# Altium PCB Interface_Card_for_GaN_Inverter.PcbDoc (part 1 of 2)
Units mm, origin at the board's own origin, x right, y up, seen from the top; angles counter-clockwise.
Board outline 50 x 100 mm, 4 copper layers (Top Copper, Signal Layer 1, Signal Layer 2, Bottom Copper), stack 1.57 mm thick; 101 components, 146 nets, 564 pads, 215 vias.
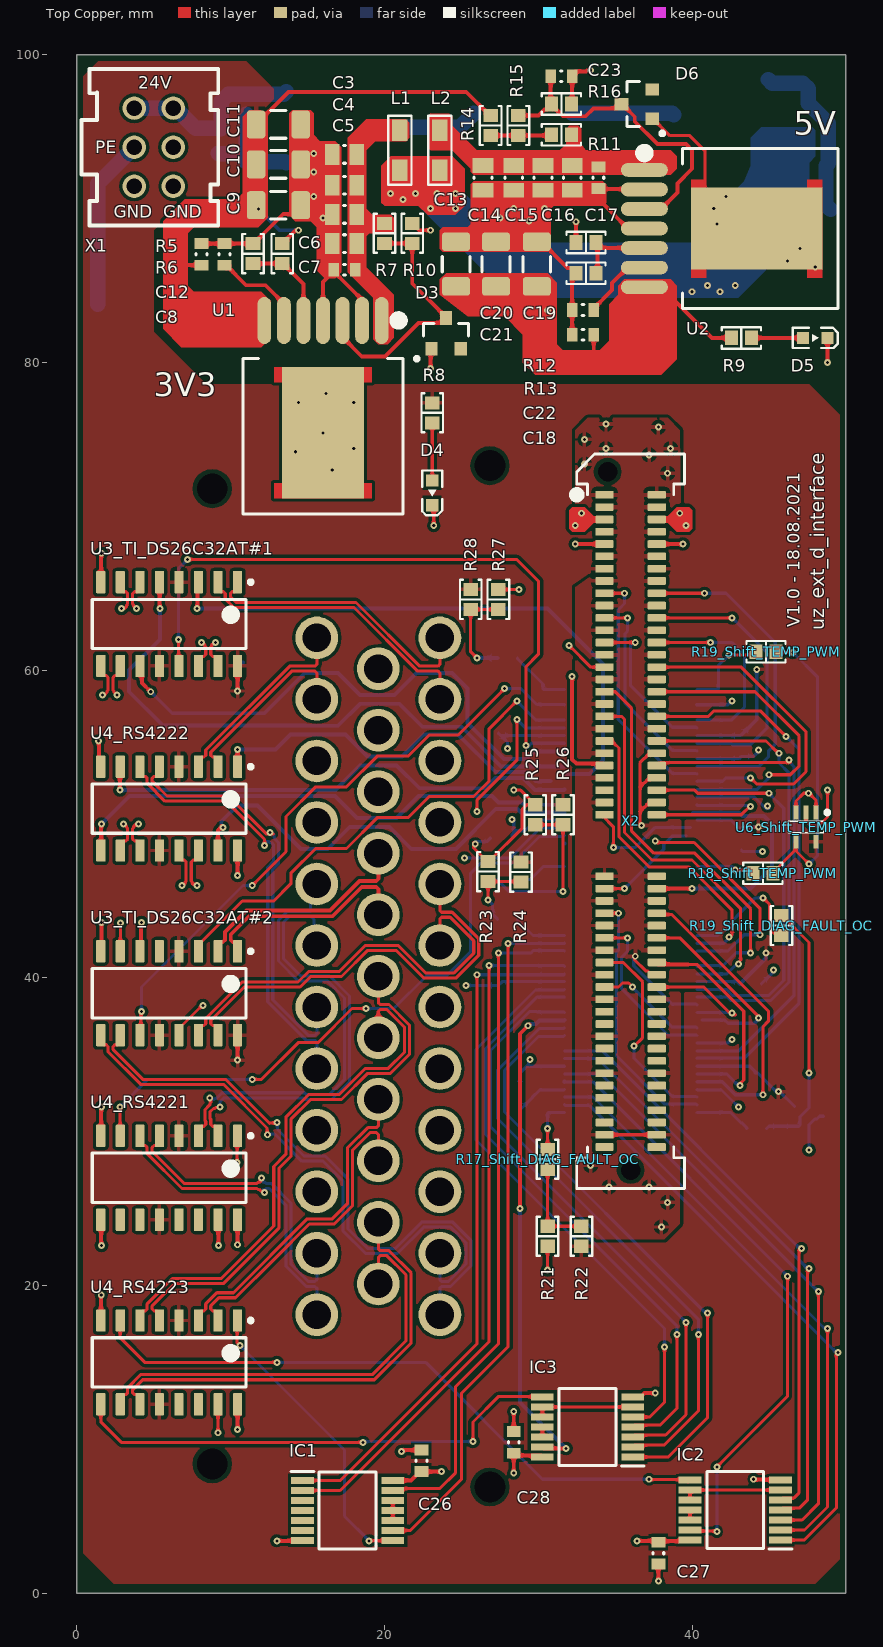
[diagram p0: Top Copper view]
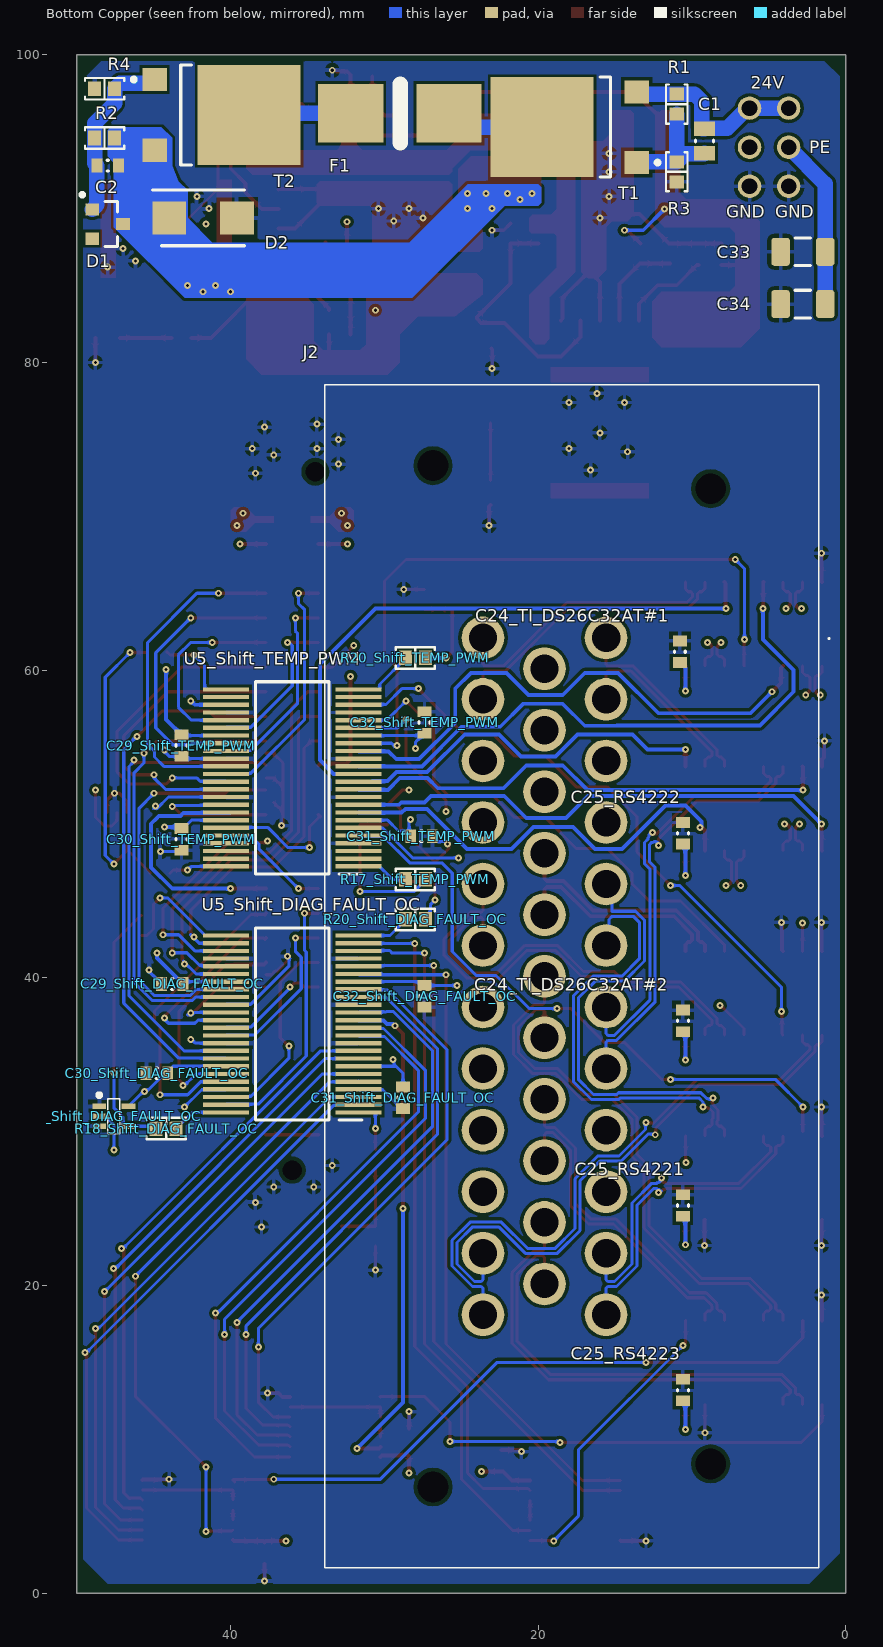
[diagram p1: Bottom Copper view, seen from below]
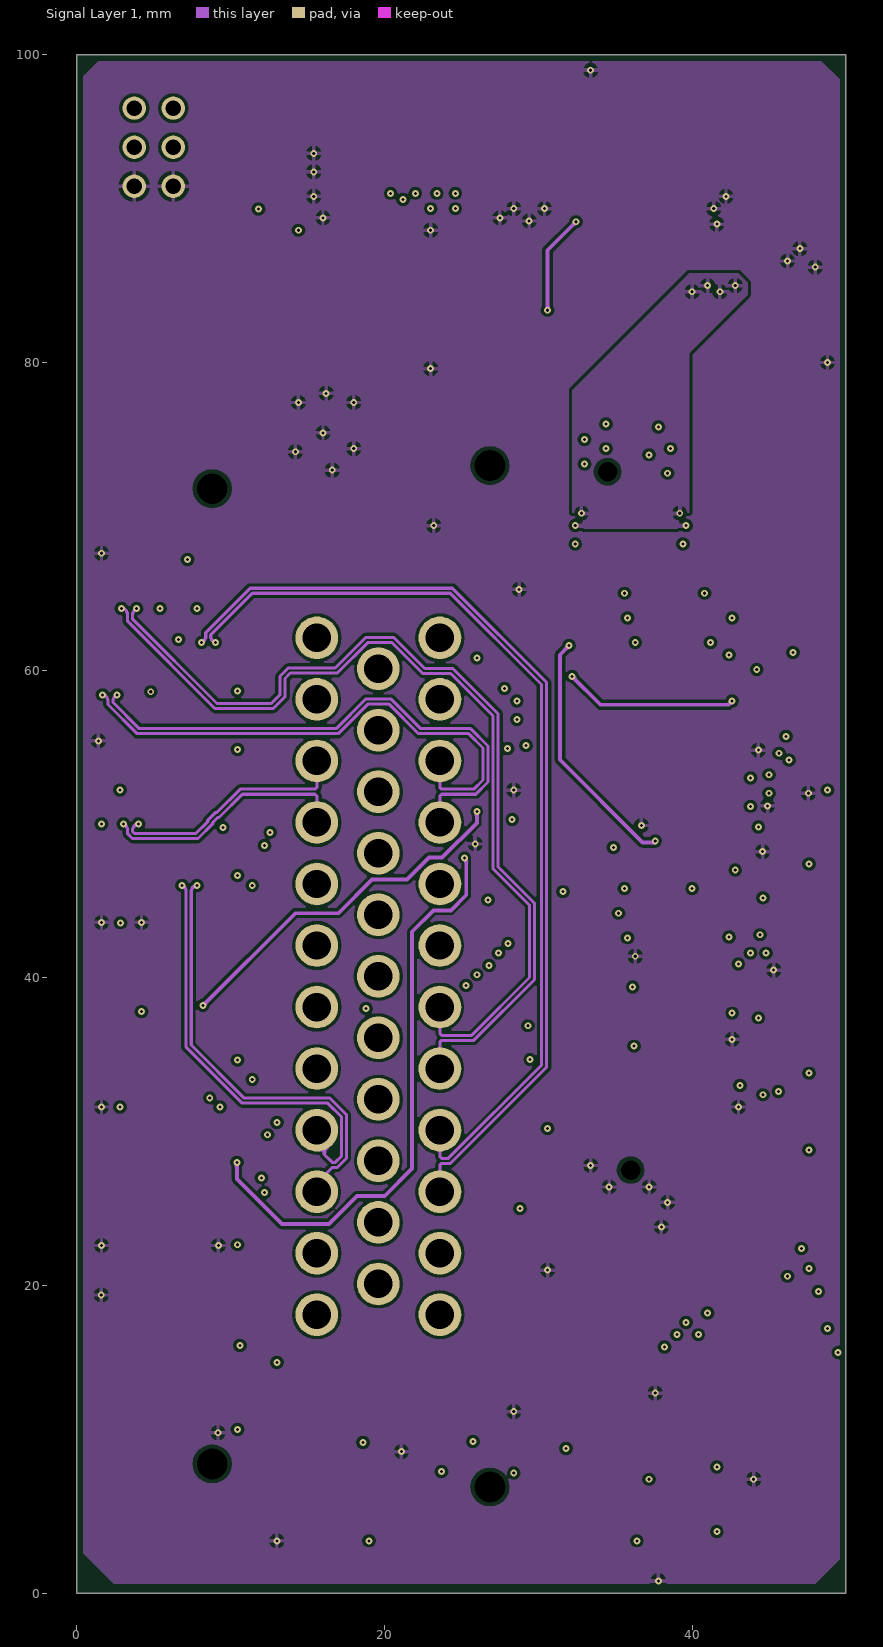
[diagram p2: Signal Layer 1]
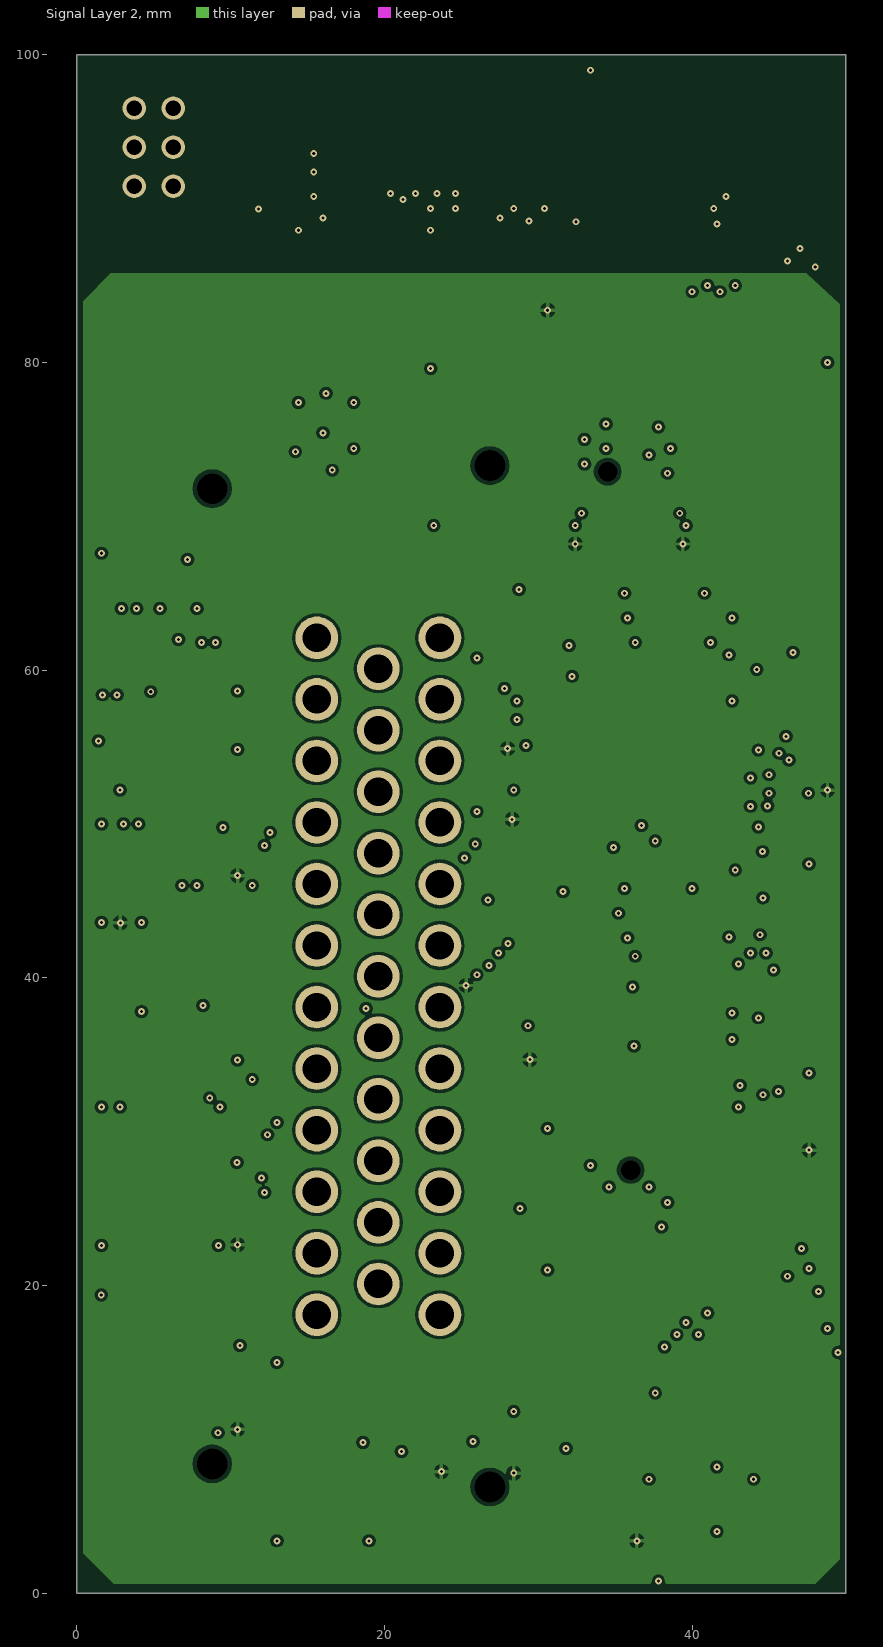
[diagram p3: Signal Layer 2]
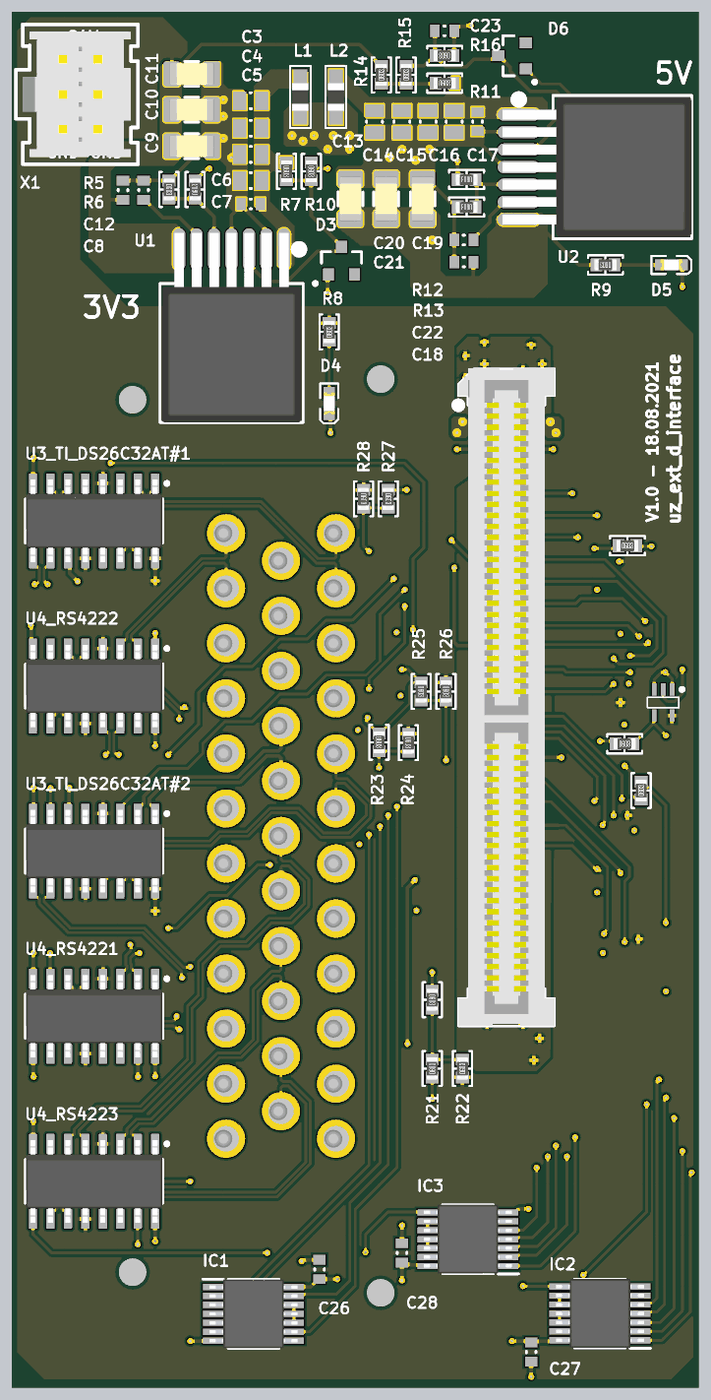
[diagram p5: 3D render of the assembled board from above, using the file's embedded part models]

## Layer stack, top to bottom
Top Mask: solder mask 0.015, Solder Resist, Dk 3.8
Top Copper: signal copper 0.035
Dielectric 1: prepreg 0.2, 7628, Dk 4.6
Signal Layer 1: signal copper 0.0175
Core: core 1.065, FR-4, Dk 4.5
Signal Layer 2: signal copper 0.0175
Dielectric 2: prepreg 0.2, 7628, Dk 4.6
Bottom Copper: signal copper 0.035
Bottom Mask: solder mask 0.015, Solder Resist, Dk 3.8

## Board outline
0,0 50,0 50,100 0,100

## Design rules (kind name [scope] priority, off if disabled: settings)
Clearance [All] p1: gap=0.2 ignorepadtopadclearanceinfootprint=FALSE except(0.127: Arc-Arc Arc-Track Track-Track; 0.254: Arc-Via Arc-Text Arc-Hole Track-Via Track-Text Track-Hole SMDPad-Via SMDPad-Text SMDPad-Hole THPad-Via THPad-Text THPad-Hole Via-Via Via-Text Via-Hole Fill-Text Fill-Hole Poly-Text Poly-Hole Region-Text Region-Hole Text-Text Text-Hole)
ComponentClearance [All] p1: gap=0.2 collisioncheckmode=3 verticalgap=0.2 showdistances=FALSE
DiffPairsRouting [All] p1: maxlimit=0.15 minlimit=0.127 mostfreqgap=0.127 toplayer_minwidth=0.15 toplayer_maxwidth=0.254 toplayer_prefwidth=0.2 midlayer1_minwidth=0.15 midlayer1_maxwidth=0.254 midlayer1_prefwidth=0.2 midlayer2_minwidth=0.15 midlayer2_maxwidth=0.254 midlayer2_prefwidth=0.2 bottomlayer_minwidth=0.15 bottomlayer_maxwidth=0.254 bottomlayer_prefwidth=0.2 maxuncoupledlength=12.7
Height [All] p1: minheight=0 maxheight=50 prefheight=12.7
MinimumSolderMaskSliver [All] p1: minsoldermaskwidth=0.2
PolygonConnect [All] p1: connectstyle=Relief reliefconductorwidth=0.254 reliefentries=4 polygonreliefangle="90 Angle" airgapwidth=0.254
RoutingVias [All] p1: holewidth=0.2 width=0.4 viastyle="Through Hole" minholewidth=0.15 minwidth=0.3 maxholewidth=0.711 maxwidth=1.27
SilkToSilkClearance [All] p1: silktosilkclearance=0.2
SilkToSolderMaskClearance [IsPad] p1: minsilkscreentomaskgap=0.2 clearancetoexposedcopper=TRUE
SolderMaskExpansion [All] p1: expansion=0.102 istentingtop=FALSE
Width [All] p1: maxlimit=1 minlimit=0.2 preferedwidth=0.254 midlayer1_minwidth=0.254 midlayer1_maxwidth=0.254 midlayer2_minwidth=0.254 midlayer2_maxwidth=0.254 minimp=50.000000 maximp=50.000000 favimp=50.000000
24 further rules are at their usual default settings.

## Classes and differential pairs
component class Levelshifter: R21 R22 R23 R24 R25 R26 R27 R28
channel class TI_SN74LVCH16T245: Shift_DIAG_FAULT_OC Shift_TEMP_PWM
channel class TI_DS26C32AT: TI_DS26C32AT#1 TI_DS26C32AT#2
channel class TI_DS26C31T: RS4221 RS4222 RS4223
net class PWR: NetC1_2 NetC3_2 NetC13_2 NetF1_1 NetF1_2 VCCA_Shift_DIAG_FAULT_OC VCCB_Shift_DIAG_FAULT_OC VIN
net class "Fine Trace": 1A1_Shift_DIAG_FAULT_OC 1A1_Shift_TEMP_PWM 1A2_Shift_DIAG_FAULT_OC 1A2_Shift_TEMP_PWM 1A3_Shift_DIAG_FAULT_OC 1A3_Shift_TEMP_PWM 1A4_Shift_DIAG_FAULT_OC 1A4_Shift_TEMP_PWM 1A5_Shift_DIAG_FAULT_OC 1A5_Shift_TEMP_PWM 1A6_Shift_DIAG_FAULT_OC 1A6_Shift_TEMP_PWM 1A7_Shift_DIAG_FAULT_OC 1A7_Shift_TEMP_PWM 1A8_Shift_DIAG_FAULT_OC 1A8_Shift_TEMP_PWM 1B1_Shift_DIAG_FAULT_OC 1B1_Shift_TEMP_PWM 1B2_Shift_DIAG_FAULT_OC 1B2_Shift_TEMP_PWM 1B3_Shift_DIAG_FAULT_OC 1B3_Shift_TEMP_PWM 1B4_Shift_DIAG_FAULT_OC 1B4_Shift_TEMP_PWM 1B5_Shift_DIAG_FAULT_OC 1B5_Shift_TEMP_PWM 1B6_Shift_DIAG_FAULT_OC 1B6_Shift_TEMP_PWM 1B7_Shift_DIAG_FAULT_OC 1B7_Shift_TEMP_PWM 1B8_Shift_DIAG_FAULT_OC 1B8_Shift_TEMP_PWM 2A1_Shift_DIAG_FAULT_OC 2A1_Shift_TEMP_PWM 2A2_Shift_DIAG_FAULT_OC 2A2_Shift_TEMP_PWM 2A3_Shift_DIAG_FAULT_OC 2A3_Shift_TEMP_PWM 2A4_Shift_DIAG_FAULT_OC 2A4_Shift_TEMP_PWM 2A5_Shift_DIAG_FAULT_OC 2A5_Shift_TEMP_PWM 2A6_Shift_DIAG_FAULT_OC 2A6_Shift_TEMP_PWM 2A7_Shift_DIAG_FAULT_OC 2A7_Shift_TEMP_PWM 2A8_Shift_DIAG_FAULT_OC 2A8_Shift_TEMP_PWM 2B1_Shift_DIAG_FAULT_OC 2B1_Shift_TEMP_PWM 2B2_Shift_DIAG_FAULT_OC 2B2_Shift_TEMP_PWM 2B3_Shift_DIAG_FAULT_OC 2B3_Shift_TEMP_PWM 2B4_Shift_DIAG_FAULT_OC 2B4_Shift_TEMP_PWM 2B5_Shift_DIAG_FAULT_OC 2B5_Shift_TEMP_PWM 2B6_Shift_DIAG_FAULT_OC 2B6_Shift_TEMP_PWM 2B7_Shift_DIAG_FAULT_OC 2B7_Shift_TEMP_PWM 2B8_Shift_DIAG_FAULT_OC 2B8_Shift_TEMP_PWM
net class D100: FAULT_N FAULT_P GaN_H1_TEMP_N GaN_H1_TEMP_P GaN_H2_TEMP_N GaN_H2_TEMP_P GaN_H3_TEMP_N GaN_H3_TEMP_P GaN_L1_TEMP_N GaN_L1_TEMP_P GaN_L2_TEMP_N GaN_L2_TEMP_P GaN_L3_TEMP_N GaN_L3_TEMP_P I_DIAG_N I_DIAG_P NetU4_RS4221_10 NetU4_RS4221_11 NetU4_RS4221_13 NetU4_RS4221_14 NetU4_RS4223_13 NetU4_RS4223_14 OC_N OC_P
component class U_Power_Supply: C1 C2 C3 C4 C5 C6 C7 C8 C9 C10 C11 C12 C13 C14 C15 C16 C17 C18 C19 C20 C21 C22 C23 C33 C34 D1 D2 D3 D4 D5 D6 F1 J1 L1 L2 R1 R2 R3 R4 R5 R6 R7 R8 R9 R10 R11 R12 R13 R14 R15 R16 T1 T2 U1 U2 X1
component class U_HTEC-Connector: X2
component class U_AMPSEAL-Connector: J2
component class TI_DS26C32AT#2: C24_TI_DS26C32AT#2 U3_TI_DS26C32AT#2
component class TI_DS26C32AT#1: C24_TI_DS26C32AT#1 U3_TI_DS26C32AT#1
component class Shift_TEMP_PWM: C29_Shift_TEMP_PWM C30_Shift_TEMP_PWM C31_Shift_TEMP_PWM C32_Shift_TEMP_PWM R17_Shift_TEMP_PWM R18_Shift_TEMP_PWM R19_Shift_TEMP_PWM R20_Shift_TEMP_PWM U5_Shift_TEMP_PWM U6_Shift_TEMP_PWM
component class Shift_DIAG_FAULT_OC: C29_Shift_DIAG_FAULT_OC C30_Shift_DIAG_FAULT_OC C31_Shift_DIAG_FAULT_OC C32_Shift_DIAG_FAULT_OC R17_Shift_DIAG_FAULT_OC R18_Shift_DIAG_FAULT_OC R19_Shift_DIAG_FAULT_OC R20_Shift_DIAG_FAULT_OC U5_Shift_DIAG_FAULT_OC U6_Shift_DIAG_FAULT_OC
component class RS4223: C25_RS4223 U4_RS4223
component class RS4222: C25_RS4222 U4_RS4222
component class RS4221: C25_RS4221 U4_RS4221
component class Logic_Gate: C26 C27 C28 IC1 IC2 IC3
differential pair PWM_L3: +PWM_L3_P -PWM_L3_N
differential pair PWM_L2: +PWM_L2_P -PWM_L2_N
differential pair PWM_L1: +PWM_L1_P -PWM_L1_N
differential pair PWM_H3: +PWM_H3_P -PWM_H3_N
differential pair PWM_H2: +PWM_H2_P -PWM_H2_N
differential pair PWM_H1: +PWM_H1_P -PWM_H1_N
differential pair PWM_EN: +PWM_EN_P -PWM_EN_N
differential pair OC: +OC_P -OC_N
differential pair I_DIAG: +I_DIAG_P -I_DIAG_N
differential pair GaN_L3_TEMP: +GaN_L3_TEMP_P -GaN_L3_TEMP_N
differential pair GaN_L2_TEMP: +GaN_L2_TEMP_P -GaN_L2_TEMP_N
differential pair GaN_L1_TEMP: +GaN_L1_TEMP_P -GaN_L1_TEMP_N
differential pair GaN_H3_TEMP: +GaN_H3_TEMP_P -GaN_H3_TEMP_N
differential pair GaN_H2_TEMP: +GaN_H2_TEMP_P -GaN_H2_TEMP_N
differential pair GaN_H1_TEMP: +GaN_H1_TEMP_P -GaN_H1_TEMP_N
differential pair FAULT: +FAULT_P -FAULT_N

## Components (designator, comment, footprint, x,y, rotation, side; value= is the part's Value field where it differs from the comment)
C1 "10 µF" CAPC_0805_L 9.2,94.4 r90 bottom
C2 "0.1 µF" C_0603 48,92.8 r180 bottom
C3 "10 µF" CAPC_0805_L 17.4,93.53 r0 top
C4 "10 µF" CAPC_0805_L 17.4,91.53 r0 top
C5 "10 µF" CAPC_0805_L 17.4,89.63 r0 top
C6 "10 µF" CAPC_0805_L 17.4,87.73 r0 top
C7 "0.1 µF" C_0603 17.4,86.03 r0 top
C8 "470 nF" C_0603 8.1,87.03 r270 top
C9 "100 µF" C_1206 13.1,90.23 r0 top
C10 "100 µF" C_1206 13.1,92.88 r0 top
C11 "100 µF" C_1206 13.1,95.48 r0 top
C12 "220 nF" C_0603 9.6,87.03 r270 top
C13 "10 µF" CAPC_0805_L 26.4,92.01 r90 top
C14 "10 µF" CAPC_0805_L 28.4,92.01 r90 top
C15 "10 µF" CAPC_0805_L 30.3,92.01 r90 top
C16 "10 µF" CAPC_0805_L 32.2,92.01 r90 top
C17 "0.1 µF" C_0603 33.9,92.01 r90 top
C18 "470 nF" C_0603 32.9,81.81 r0 top
C19 "100 µF" C_1206 29.9,86.4 r90 top
C20 "100 µF" C_1206 27.25,86.4 r90 top
C21 "100 µF" C_1206 24.65,86.4 r90 top
C22 "220 nF" C_0603 32.9,83.41 r0 top
C23 "0.1 µF" C_0603 31.5,98.61 r180 top
C24_TI_DS26C32AT#1 "0.1 µF" C_0603 10.8,61.2 r270 bottom (schematic designator C24)
C24_TI_DS26C32AT#2 "0.1 µF" C_0603 10.6,37.2 r270 bottom (schematic designator C24)
C25_RS4221 "0.1 µF" C_0603 10.6,25.2 r270 bottom (schematic designator C25)
C25_RS4222 "0.1 µF" C_0603 10.6,49.4 r270 bottom (schematic designator C25)
C25_RS4223 "0.1 µF" C_0603 10.6,13.2 r270 bottom (schematic designator C25)
C26 "0.1 µF" C_0603 22.4,8.6 r270 top
C27 "0.1 µF" C_0603 37.8,2.6 r90 top
C28 "0.1 µF" C_0603 28.4,9.8 r270 top
C29_Shift_DIAG_FAULT_OC "0.1 µF" C_0603 43.8,39.6 r180 bottom (schematic designator C29)
C29_Shift_TEMP_PWM "0.1 µF" C_0603 43.2,55.1 r90 bottom (schematic designator C29)
C30_Shift_DIAG_FAULT_OC "0.1 µF" C_0603 44.8,33.8 r180 bottom (schematic designator C30)
C30_Shift_TEMP_PWM "0.1 µF" C_0603 43.2,49 r90 bottom (schematic designator C30)
C31_Shift_DIAG_FAULT_OC "0.1 µF" C_0603 28.8,32.2 r90 bottom (schematic designator C31)
C31_Shift_TEMP_PWM "0.1 µF" C_0603 27.6,49.2 r0 bottom (schematic designator C31)
C32_Shift_DIAG_FAULT_OC "0.1 µF" C_0603 27.4,38.8 r90 bottom (schematic designator C32)
C32_Shift_TEMP_PWM "0.1 µF" C_0603 27.4,56.6 r270 bottom (schematic designator C32)
C33 "100 pF" C_1206 2.8,87.2 r0 bottom
C34 "100 pF" C_1206 2.8,83.8 r0 bottom
D1 "BZX84C15" SOT-23-3_ONSC 48,89 r180 bottom value="14.7 V"
D2 "SMBJ30A" DIOM5436X244N 41.8,89.4 r180 bottom value=30V
D3 "" SOT-23-3_ONSC 24,81.9 r90 top value="5.1 V"
D4 "150060RS86000" WL-SMCW_0603 23.1,71.53 r90 top
D5 "150060BS84000" WL-SMCW_0603 48,81.6 r180 top
D6 "" SOT-23-3_ONSC 36.4,96.8 r180 top value="5.1 V"
F1 "5A Fuse" Littlefuse_154 25.8,96.2 r0 bottom value="5 A"
IC1 "SN74AC11PWR" SOP65P640X120-14N 17.6,5.375 r0 top
IC2 "SN74AC11PWR" SOP65P640X120-14N 42.8,5.4 r180 top
IC3 "SN74AC11PWR" SOP65P640X120-14N 33.2,10.8 r180 top
J2 "1-776231-1" 7762301 15.6,62.1 r270 bottom
L1 "600 Ohm" "WE-CBF_0805_High Current" 21,93.8 r90 top
L2 "600 Ohm" "WE-CBF_0805_High Current" 23.6,93.8 r90 top
R1 "47k" "RES 0603_1608" 11,96.8 r90 bottom
R2 "47k" "RES 0603_1608" 48.2,94.6 r180 bottom
R3 "47k" "RES 0603_1608" 11,92.4 r90 bottom
R4 "47k" "RES 0603_1608" 48.2,97.8 r180 bottom
R5 "4k7" "RES 0603_1608" 13.35,87.08 r90 top
R6 "1k5" "RES 0603_1608" 11.45,87.08 r270 top
R7 "100k" "RES 0603_1608" 20,88.4 r270 top
R8 "220R" "RES 0603_1608" 23.1,76.73 r90 top
R9 "220R" "RES 0603_1608" 43.2,81.6 r180 top
R10 "20k" "RES 0603_1608" 21.8,88.4 r270 top
R11 "0R" "RES 0603_1608" 31.5,94.81 r0 top
R12 "10k" "RES 0603_1608" 33.1,87.8 r180 top
R13 "1k91" "RES 0603_1608" 33.1,85.8 r180 top
R14 "0R" "RES 0603_1608" 26.9,95.41 r90 top
R15 "47k" "RES 0603_1608" 28.7,95.41 r90 top
R16 "20k" "RES 0603_1608" 31.5,96.81 r180 top
R17_Shift_DIAG_FAULT_OC "10k" "RES 0603_1608" 30.6,28.2 r270 top (schematic designator R17)
R17_Shift_TEMP_PWM "10k" "RES 0603_1608" 28,46.4 r180 bottom (schematic designator R17)
R18_Shift_DIAG_FAULT_OC "10k" "RES 0603_1608" 44.2,30.2 r0 bottom (schematic designator R18)
R18_Shift_TEMP_PWM "10k" "RES 0603_1608" 44.6,46.8 r0 top (schematic designator R18)
R19_Shift_DIAG_FAULT_OC "10k" "RES 0603_1608" 45.8,43.4 r90 top (schematic designator R19)
R19_Shift_TEMP_PWM "10k" "RES 0603_1608" 44.8,61.2 r0 top (schematic designator R19)
R20_Shift_DIAG_FAULT_OC "10k" "RES 0603_1608" 28,43.8 r0 bottom (schematic designator R20)
R20_Shift_TEMP_PWM "10k" "RES 0603_1608" 28,60.8 r0 bottom (schematic designator R20)
R21 "0R" "RES 0603_1608" 30.6,23.2 r90 top
R22 "0R" "RES 0603_1608" 32.8,23.2 r90 top
R23 "0R" "RES 0603_1608" 26.73,46.908 r270 top
R24 "0R" "RES 0603_1608" 28.875,46.875 r270 top
R25 "0R" "RES 0603_1608" 29.8,50.6 r270 top
R26 "0R" "RES 0603_1608" 31.6,50.6 r270 top
R27 "0R" "RES 0603_1608" 27.4,64.6 r270 top
R28 "0R" "RES 0603_1608" 25.6,64.6 r270 top
T1 "" ATPAK_ONSC 19.75,95.3 r0 bottom value="40 V"
T2 "" ATPAK_ONSC 38.8,96.1 r180 bottom value="40 V"
U1 "171050601" 7TO-PMOD 16,77.035 r270 top value="30 W"
U2 "171050601" 7TO-PMOD 42.595,88.71 r0 top value="30 W"
U3_TI_DS26C32AT#1 "DS26LV32ATM/NOPB" TI_D-R-PDSO-G16_N 6,63 r270 top (schematic designator U3)
U3_TI_DS26C32AT#2 "DS26LV32ATM/NOPB" TI_D-R-PDSO-G16_N 6,39 r270 top (schematic designator U3)
U4_RS4221 "DS26C31TMX/NOPB" TI_D-R-PDSO-G16_N 6,27 r270 top (schematic designator U4)
U4_RS4222 "DS26C31TMX/NOPB" TI_D-R-PDSO-G16_N 6,51 r270 top (schematic designator U4)
U4_RS4223 "DS26C31TMX/NOPB" TI_D-R-PDSO-G16_N 6,15 r270 top (schematic designator U4)
U5_Shift_DIAG_FAULT_OC "SN74LVCH16T245DGGR" TI_DGG-R-PDSO-G48N 36,37 r0 bottom value="1.65 - 5.5 V" (schematic designator U5)
U5_Shift_TEMP_PWM "SN74LVCH16T245DGGR" TI_DGG-R-PDSO-G48N 36,53 r0 bottom value="1.65 - 5.5 V" (schematic designator U5)
U6_Shift_DIAG_FAULT_OC "74AHC1G14GW,125" SOT353-1_N 47.6,31 r180 bottom value="5.5 V" (schematic designator U6)
U6_Shift_TEMP_PWM "74AHC1G14GW,125" SOT353-1_N 47.4,49.8 r270 top value="5.5 V" (schematic designator U6)
X1 "IPL1-103-01-L-D-K" IPL1-103-01-L-D-K 5,94 r270 top
X2 "HTEC8-150-01-L-DV-K" HTEC8-150-XX-X-DV 36,50.2 r270 top

## Footprints (in the part's own frame and the unit in brackets; to place one, negate y for a bottom-side part, rotate by r counter-clockwise, add the part's x,y. Pads: shape width x height; smd on the part's side, far side on the other; paste and mask are expansions set on the pad)
7TO-PMOD [mm]
  oval 3.06x0.89 smd: 1(-5.7,3.81) 2(-5.7,2.54) 3(-5.7,1.27) 4(-5.7,0) 5(-5.7,-1.27) 6(-5.7,-2.54) 7(-5.7,-3.81)
  rect 8.54x5.35 smd: 8(1.605,0)
  Top Copper region: -2.665,3.2 -2.665,-3.2 -1.665,-3.2 -1.665,3.2
  Top Copper region: 5.875,-3.2 5.875,3.2 4.875,3.2 4.875,-3.2
  silkscreen extent -6,-5.21 6.89,5.21, body extent -6.88,-5.08 6.89,5.08, height 4.8
7762301 [mm]
  round 2.775 hole 1.85: 1(0,0) 2(4,0) 3(8,0) 4(12,0) 5(16,0) 6(20,0) 7(24,0) 8(28,0) 9(32,0) 10(36,0) 11(40,0) 12(44,0) 13(2,-4) 14(6,-4) 15(10,-4) 16(14,-4) 17(18,-4) 18(22,-4) 19(26,-4) 20(30,-4) 21(34,-4) 22(38,-4) 23(42,-4) 24(0,-8) 25(4,-8) 26(8,-8) 27(12,-8) 28(16,-8) 29(20,-8) 30(24,-8) 31(28,-8) 32(32,-8) 33(36,-8) 34(40,-8) 35(44,-8)
  round 1 hole 2 unplated: MH1(-11.2,-11.25) MH2(-9.7,6.8) MH3(55.2,-11.25) MH4(53.7,6.8)
  silkscreen extent -16.45,-18.28 60.45,14.55, body extent -16.45,-19.86 60.45,12.24, height 34.3